# Altium PCB isg_eos_control_board_xem3001.PcbDoc (part 1 of 2)
Units mil, origin at the board's own origin, x right, y up, seen from the top; angles counter-clockwise.
Board outline 9600 x 4600 mil, 4 copper layers (Top Layer, MidLayer 1, MidLayer 2, Bottom Layer), stack 23.756 mil thick; 140 components, 165 nets, 826 pads, 215 vias.
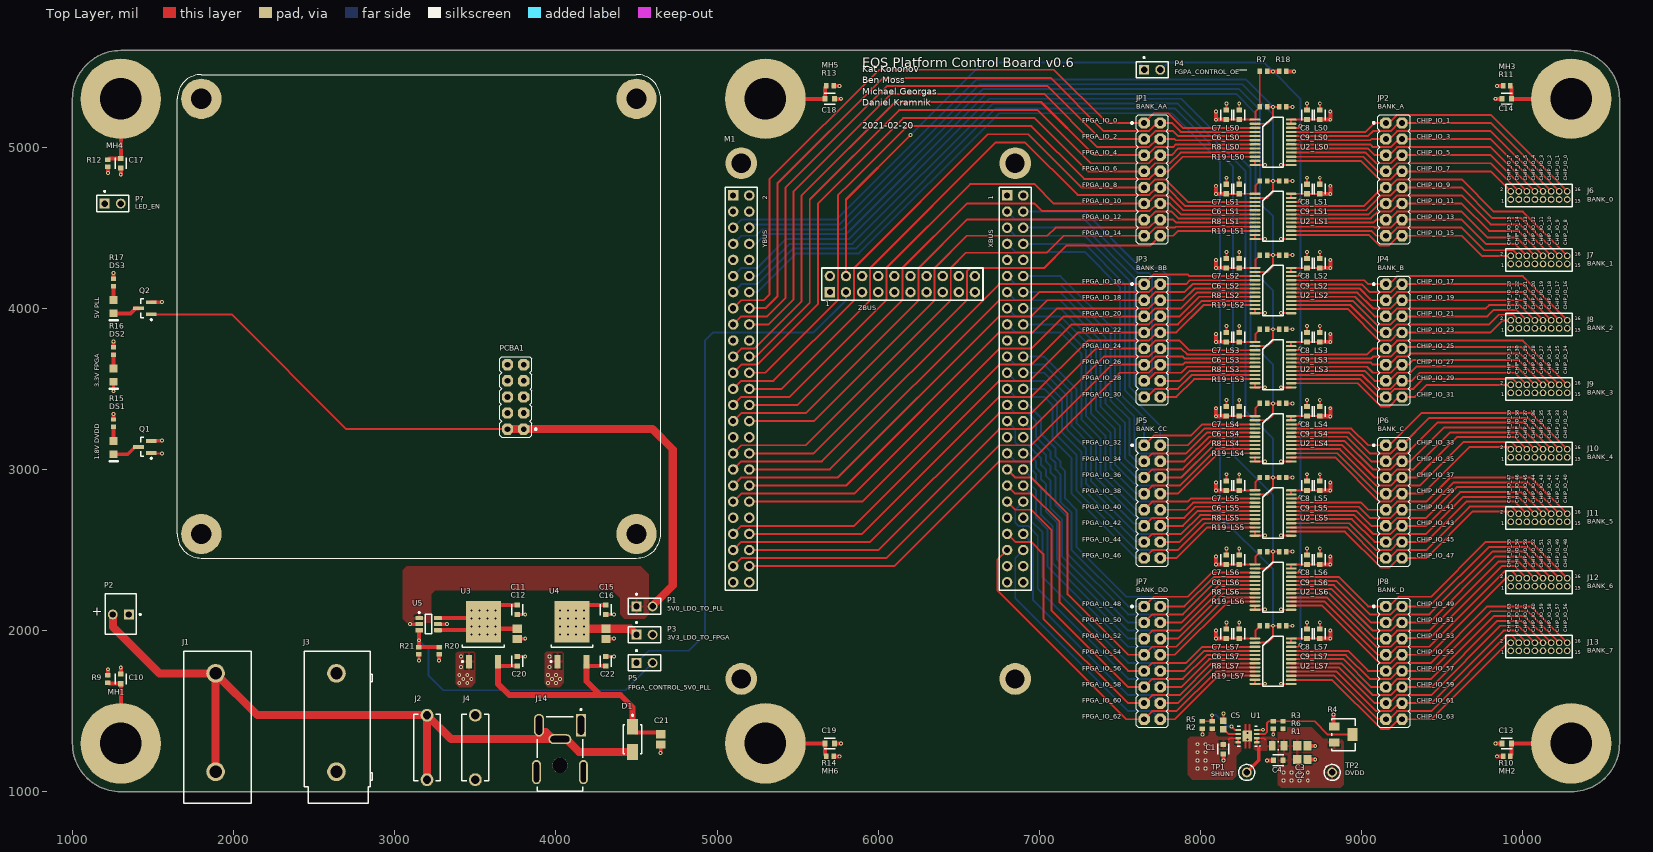
[diagram p0: Top Layer view]
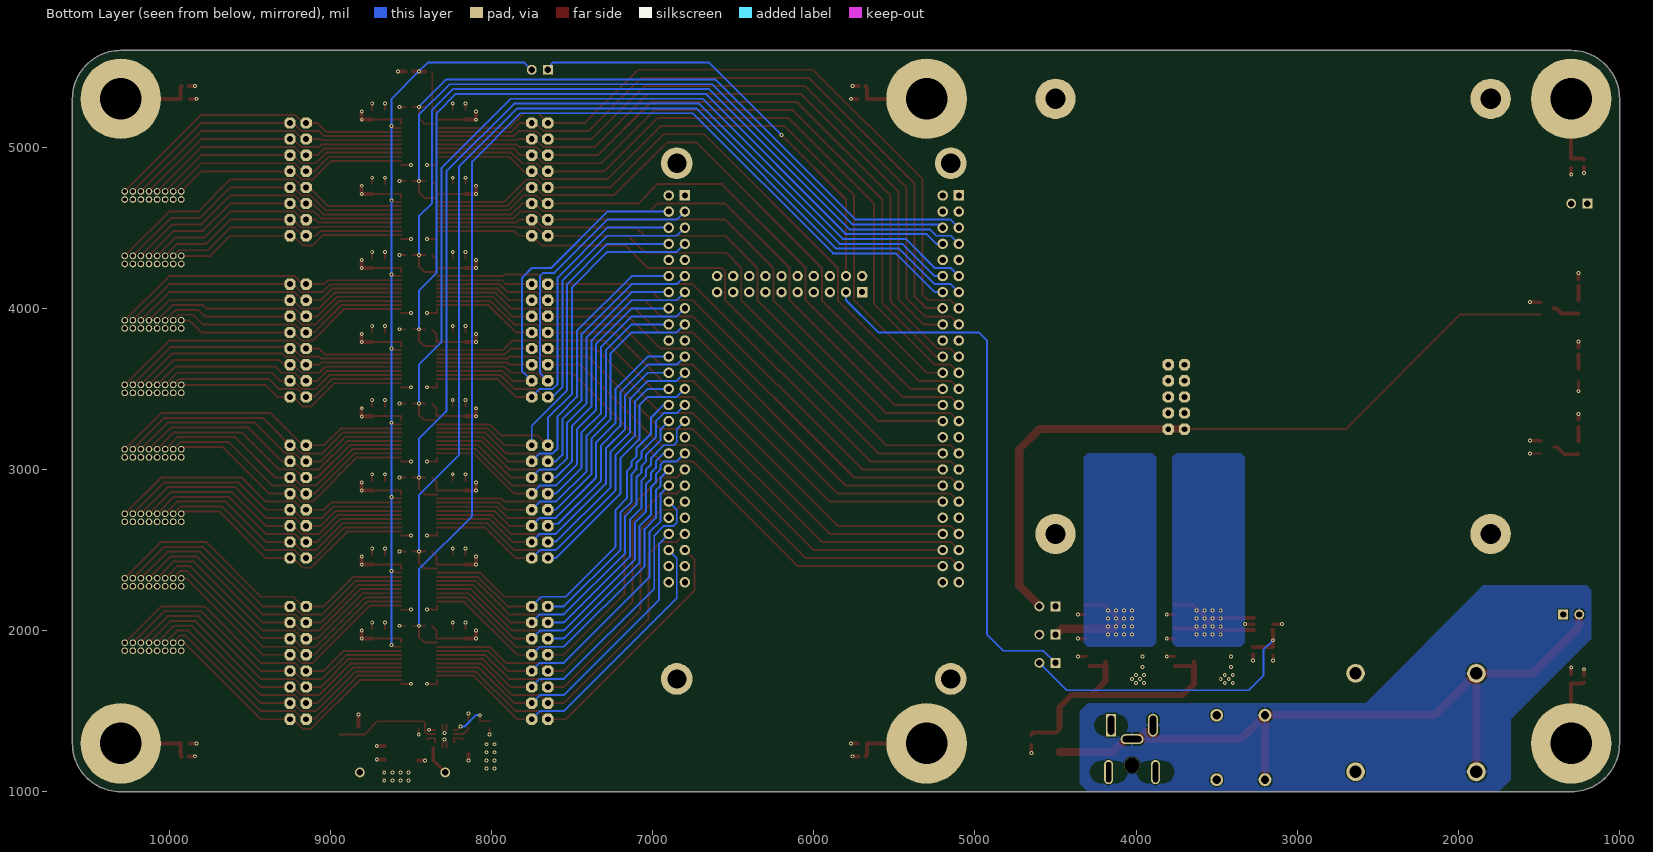
[diagram p1: Bottom Layer view, seen from below]
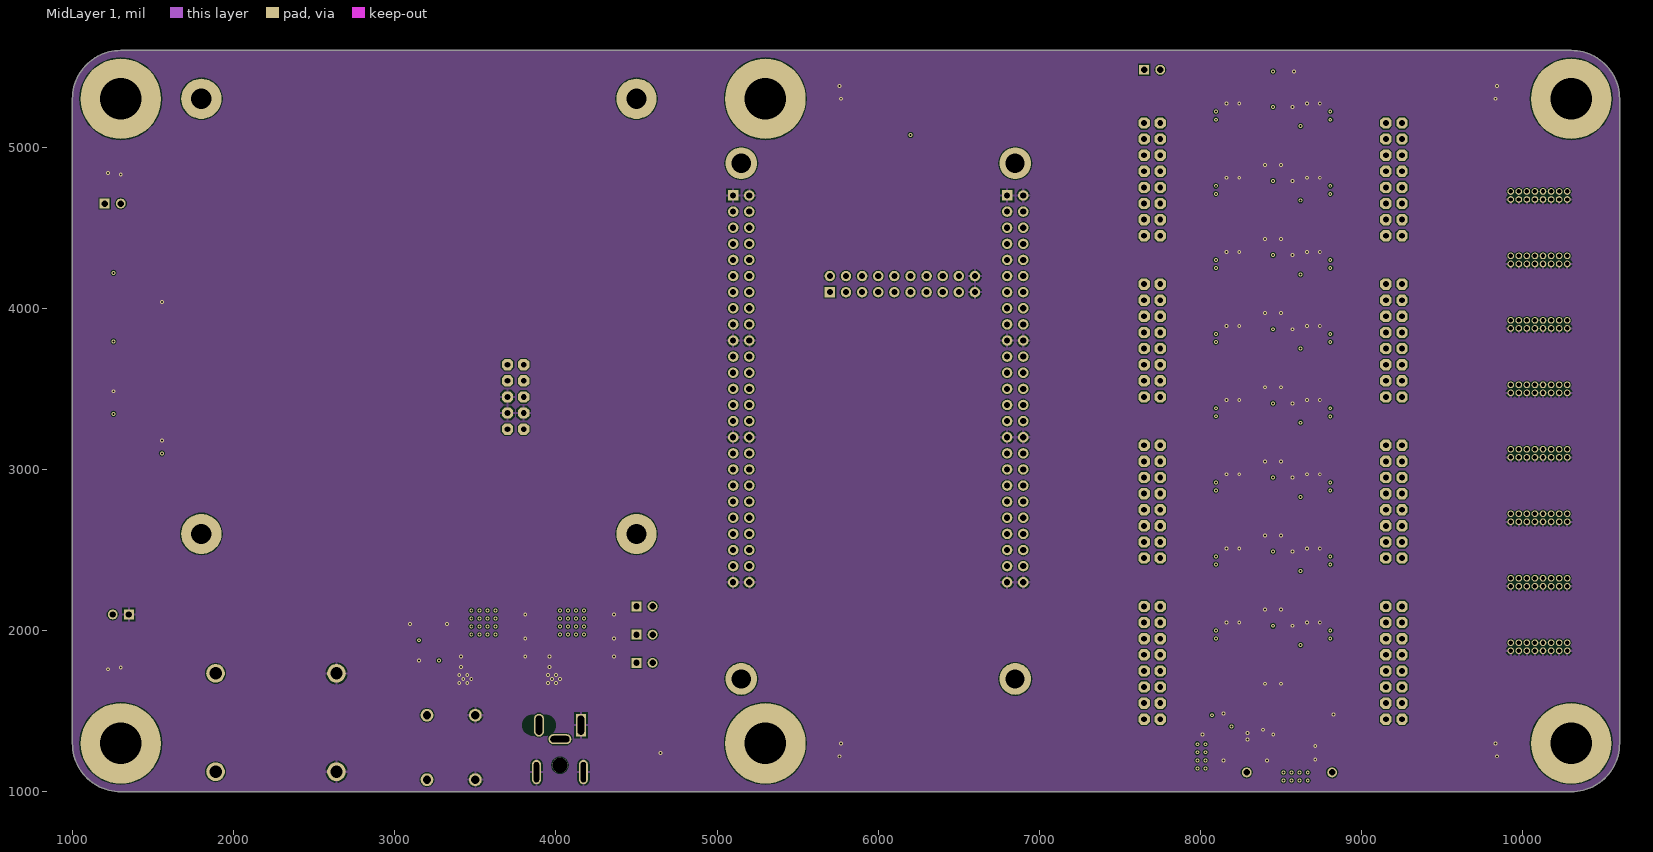
[diagram p2: MidLayer 1]
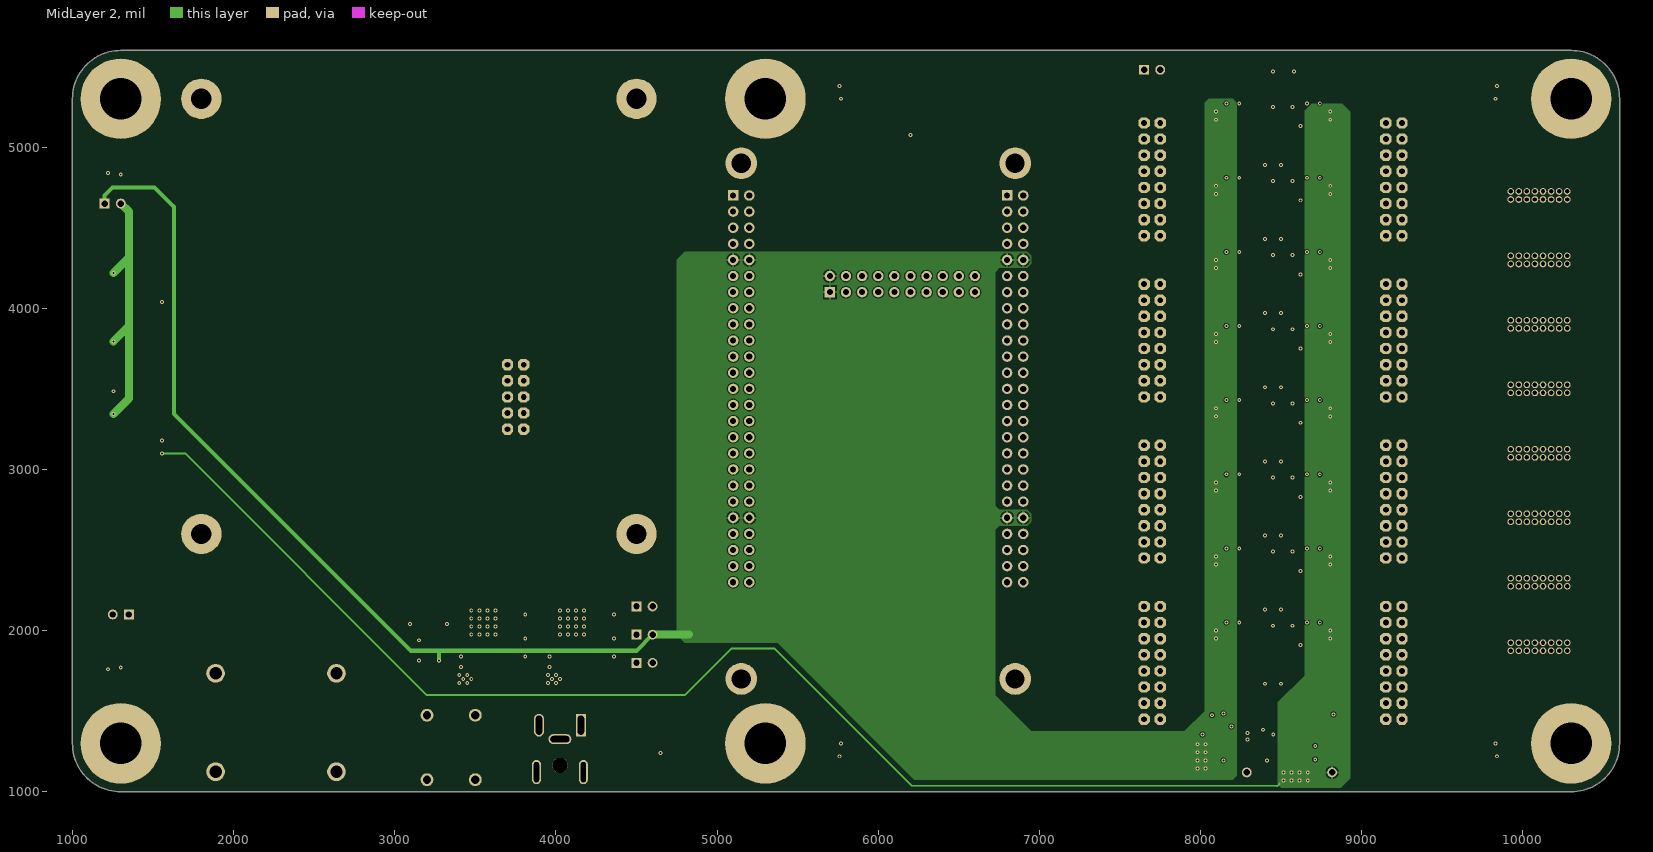
[diagram p3: MidLayer 2]
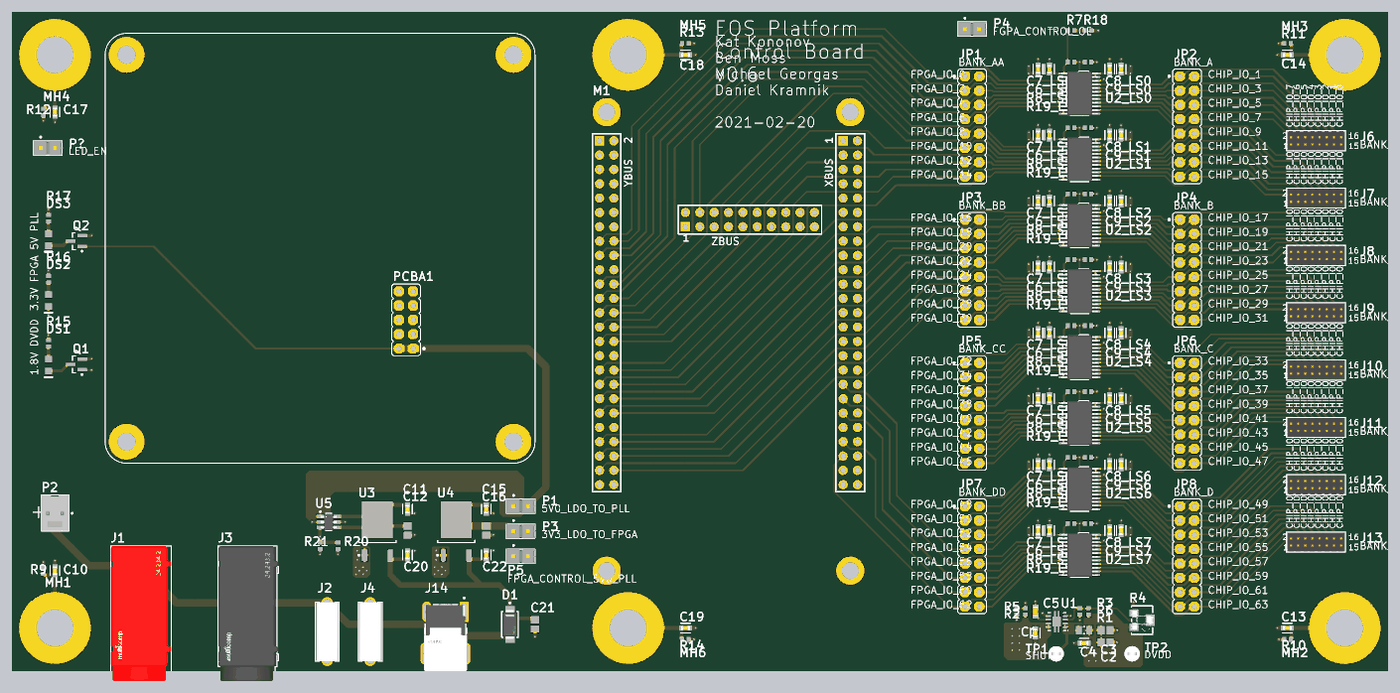
[diagram p5: 3D render of the assembled board from above, using the file's embedded part models]

## Layer stack, top to bottom
Top Solder: solder mask 0.4, Solder Resist, Dk 3.5
Top Layer: signal copper 1.4
Dielectric 2: prepreg 2.8, PP-006, Dk 4.1
MidLayer 1: signal copper 1.3779
Dielectric 1: dielectric 12.6, FR-4, Dk 4.8
MidLayer 2: signal copper 1.3779
Dielectric 3: prepreg 2.8, PP-006, Dk 4.1
Bottom Layer: signal copper 1.4
Bottom Solder: solder mask 0.4, Solder Resist, Dk 3.5

## Board outline
1000,5300 cw(c1300,5300) 1300,5600 10300,5600 cw(c10300,5300) 10600,5300 10600,1300 cw(c10300.01,1299.99) 10300,1000 1300,1000 cw(c1300,1300) 1000,1300

## Design rules (kind name [scope] priority, off if disabled: settings)
Clearance [All] p1: gap=6 ignorepadtopadclearanceinfootprint=FALSE
HoleSize [All] p1: absolutevalues=TRUE maxlimit=1000 minlimit=1 maxpercent=80.000 minpercent=20.000
MinimumSolderMaskSliver [All] p1 off: minsoldermaskwidth=10
PlaneConnect [All] p1: planeconnectstyle=Relief reliefexpansion=20 reliefentries=4 reliefconductorwidth=16 reliefairgap=10
PolygonConnect [All] p1: thpad.connectstyle=Relief thpad.reliefconductorwidth=16 thpad.reliefentries=4 thpad.polygonreliefangle="90 Angle" thpad.airgapwidth=10 smdpad.connectstyle=Relief smdpad.reliefconductorwidth=16 smdpad.reliefentries=4 smdpad.polygonreliefangle="90 Angle" smdpad.airgapwidth=10 via.connectstyle=Direct via.reliefconductorwidth=10 via.reliefentries=4 via.polygonreliefangle="90 Angle" via.airgapwidth=10
RoomDefinition LS7 [InComponentClass('LS7')] p1: confinementstyle=ConfineIn formatcopy=TRUE lockcomponents=FALSE outline 8060,1615 8840,1615 8840,2075 8060,2075
RoomDefinition LS6 [InComponentClass('LS6')] p2: confinementstyle=ConfineIn formatcopy=TRUE lockcomponents=FALSE outline 8060,2075 8840,2075 8840,2535 8060,2535
RoomDefinition LS5 [InComponentClass('LS5')] p3: confinementstyle=ConfineIn formatcopy=TRUE lockcomponents=FALSE outline 8060,2535 8840,2535 8840,2995 8060,2995
RoomDefinition LS4 [InComponentClass('LS4')] p4: confinementstyle=ConfineIn formatcopy=TRUE lockcomponents=FALSE outline 8060,2995 8840,2995 8840,3455 8060,3455
RoomDefinition LS3 [InComponentClass('LS3')] p5: confinementstyle=ConfineIn formatcopy=TRUE lockcomponents=FALSE outline 8060,3455 8840,3455 8840,3915 8060,3915
RoomDefinition LS2 [InComponentClass('LS2')] p6: confinementstyle=ConfineIn formatcopy=TRUE lockcomponents=FALSE outline 8060,3915 8840,3915 8840,4375 8060,4375
RoomDefinition LS1 [InComponentClass('LS1')] p7: confinementstyle=ConfineIn formatcopy=TRUE lockcomponents=FALSE outline 8060,4375 8840,4375 8840,4835 8060,4835
RoomDefinition LS0 [InComponentClass('LS0')] p8: confinementstyle=ConfineIn formatcopy=TRUE lockcomponents=FALSE outline 8060,4835 8840,4835 8840,5295 8060,5295
RoomDefinition LDO_DVDD [InComponentClass('LDO_DVDD')] p9: confinementstyle=ConfineIn formatcopy=TRUE lockcomponents=FALSE outline 7886.5,1020 9020,1020 9020,1520 7886.5,1520
RoutingVias [All] p1: holewidth=28 width=50 viastyle="Through Hole" minholewidth=28 minwidth=50 maxholewidth=28 maxwidth=50
SilkToSilkClearance [All] p1: silktosilkclearance=3
SilkToSolderMaskClearance [IsPad] p1: minsilkscreentomaskgap=3 clearancetoexposedcopper=TRUE
SolderMaskExpansion [All] p1: expansion=4
Width [All] p1: maxlimit=1000 minlimit=6 preferedwidth=10
25 further rules are at their usual default settings.

## Classes and differential pairs
net class FPGA_IO_[63..0]: FPGA_IO_0 FPGA_IO_1 FPGA_IO_2 FPGA_IO_3 FPGA_IO_4 FPGA_IO_5 FPGA_IO_6 FPGA_IO_7 FPGA_IO_8 FPGA_IO_9 FPGA_IO_10 FPGA_IO_11 FPGA_IO_12 FPGA_IO_13 FPGA_IO_14 FPGA_IO_15 FPGA_IO_16 FPGA_IO_17 FPGA_IO_18 FPGA_IO_19 FPGA_IO_20 FPGA_IO_21 FPGA_IO_22 FPGA_IO_23 FPGA_IO_24 FPGA_IO_25 FPGA_IO_26 FPGA_IO_27 FPGA_IO_28 FPGA_IO_29 FPGA_IO_30 FPGA_IO_31 FPGA_IO_32 FPGA_IO_33 FPGA_IO_34 FPGA_IO_35 FPGA_IO_36 FPGA_IO_37 FPGA_IO_38 FPGA_IO_39 FPGA_IO_40 FPGA_IO_41 FPGA_IO_42 FPGA_IO_43 FPGA_IO_44 FPGA_IO_45 FPGA_IO_46 FPGA_IO_47 FPGA_IO_48 FPGA_IO_49 FPGA_IO_50 FPGA_IO_51 FPGA_IO_52 FPGA_IO_53 FPGA_IO_54 FPGA_IO_55 FPGA_IO_56 FPGA_IO_57 FPGA_IO_58 FPGA_IO_59 FPGA_IO_60 FPGA_IO_61 FPGA_IO_62 FPGA_IO_63
channel class subckt_level_shifter: LS0 LS1 LS2 LS3 LS4 LS5 LS6 LS7
component class LS7: C6 C6_LS7 C7 C7_LS7 C8 C8_LS7 C9 C9_LS7 R8 R8_LS7 R19 R19_LS7 U2 U2_LS7
component class LS6: C6 C6_LS6 C7 C7_LS6 C8 C8_LS6 C9 C9_LS6 R8 R8_LS6 R19 R19_LS6 U2 U2_LS6
component class LS5: C6 C6_LS5 C7 C7_LS5 C8 C8_LS5 C9 C9_LS5 R8 R8_LS5 R19 R19_LS5 U2 U2_LS5
component class LS4: C6 C6_LS4 C7 C7_LS4 C8 C8_LS4 C9 C9_LS4 R8 R8_LS4 R19 R19_LS4 U2 U2_LS4
component class LS3: C6 C6_LS3 C7 C7_LS3 C8 C8_LS3 C9 C9_LS3 R8 R8_LS3 R19 R19_LS3 U2 U2_LS3
component class LS2: C6 C6_LS2 C7 C7_LS2 C8 C8_LS2 C9 C9_LS2 R8 R8_LS2 R19 R19_LS2 U2 U2_LS2
component class LS1: C6 C6_LS1 C7 C7_LS1 C8 C8_LS1 C9 C9_LS1 R8 R8_LS1 R19 R19_LS1 U2 U2_LS1
component class LS0: C6 C6_LS0 C7 C7_LS0 C8 C8_LS0 C9 C9_LS0 R8 R8_LS0 R19 R19_LS0 U2 U2_LS0
component class LDO_DVDD: C1 C2 C3 C4 C5 R1 R2 R3 R4 R5 R6 TP1 TP2 U1
component class isg_eos_control_board_xem3001: C10 C11 C12 C13 C14 C15 C16 C17 C18 C19 C20 C21 C22 D1 DS1 DS2 DS3 J1 J2 J3 J4 J6 J7 J8 J9 J10 J11 J12 J13 J14 JP1 JP2 JP3 JP4 JP5 JP6 JP7 JP8 M1 M? MH1 MH2 MH3 MH4 MH5 MH6 P1 P2 P3 P4 P5 P? PCBA1 Q1 Q2 R7 R9 R10 R11 R12 R13 R14 R15 R16 R17 R18 R20 R21 R? U3 U4 U5

## Components (designator, comment, footprint, x,y, rotation, side; value= is the part's Value field where it differs from the comment)
C1 "CAP CER 100nF 0603 X7R" FP-CC0603-DA-MFG 8141.5,1265 r270 top value="100 nF"
C2 "CAP CER 4.7uF 0805 X7R" CAPC2013X140X50NL20T25 8631.5,1200 r0 top
C3 "CAP CER 4.7uF 0805 X7R" CAPC2013X140X50NL20T25 8631.5,1285 r0 top
C4 "CAP CER 100nF 0603 X7R" FP-CC0603-DA-MFG 8481.5,1195 r180 top value="100 nF"
C5 "CAP CER 10nF 0603 X7R" CAPC1608X90X40ML10T20 8141.5,1415 r90 top
C6_LS0 "CAP CER 100nF 0603 X7R" FP-CC0603-DA-MFG 8160,5200 r90 top value="100 nF" (schematic designator C6)
C6_LS1 "CAP CER 100nF 0603 X7R" FP-CC0603-DA-MFG 8160,4740 r90 top value="100 nF" (schematic designator C6)
C6_LS2 "CAP CER 100nF 0603 X7R" FP-CC0603-DA-MFG 8160,4280 r90 top value="100 nF" (schematic designator C6)
C6_LS3 "CAP CER 100nF 0603 X7R" FP-CC0603-DA-MFG 8160,3820 r90 top value="100 nF" (schematic designator C6)
C6_LS4 "CAP CER 100nF 0603 X7R" FP-CC0603-DA-MFG 8160,3360 r90 top value="100 nF" (schematic designator C6)
C6_LS5 "CAP CER 100nF 0603 X7R" FP-CC0603-DA-MFG 8160,2900 r90 top value="100 nF" (schematic designator C6)
C6_LS6 "CAP CER 100nF 0603 X7R" FP-CC0603-DA-MFG 8160,2440 r90 top value="100 nF" (schematic designator C6)
C6_LS7 "CAP CER 100nF 0603 X7R" FP-CC0603-DA-MFG 8160,1980 r90 top value="100 nF" (schematic designator C6)
C7_LS0 "CAP CER 10nF 0603 X7R" FP-CC0603-DA-MFG 8240,5200 r90 top value="100 nF" (schematic designator C7)
C7_LS1 "CAP CER 10nF 0603 X7R" FP-CC0603-DA-MFG 8240,4740 r90 top value="100 nF" (schematic designator C7)
C7_LS2 "CAP CER 10nF 0603 X7R" FP-CC0603-DA-MFG 8240,4280 r90 top value="100 nF" (schematic designator C7)
C7_LS3 "CAP CER 10nF 0603 X7R" FP-CC0603-DA-MFG 8240,3820 r90 top value="100 nF" (schematic designator C7)
C7_LS4 "CAP CER 10nF 0603 X7R" FP-CC0603-DA-MFG 8240,3360 r90 top value="100 nF" (schematic designator C7)
C7_LS5 "CAP CER 10nF 0603 X7R" FP-CC0603-DA-MFG 8240,2900 r90 top value="100 nF" (schematic designator C7)
C7_LS6 "CAP CER 10nF 0603 X7R" FP-CC0603-DA-MFG 8240,2440 r90 top value="100 nF" (schematic designator C7)
C7_LS7 "CAP CER 10nF 0603 X7R" FP-CC0603-DA-MFG 8240,1980 r90 top value="100 nF" (schematic designator C7)
C8_LS0 "CAP CER 100nF 0603 X7R" FP-CC0603-DA-MFG 8740,5200 r90 top value="100 nF" (schematic designator C8)
C8_LS1 "CAP CER 100nF 0603 X7R" FP-CC0603-DA-MFG 8740,4740 r90 top value="100 nF" (schematic designator C8)
C8_LS2 "CAP CER 100nF 0603 X7R" FP-CC0603-DA-MFG 8740,4280 r90 top value="100 nF" (schematic designator C8)
C8_LS3 "CAP CER 100nF 0603 X7R" FP-CC0603-DA-MFG 8740,3820 r90 top value="100 nF" (schematic designator C8)
C8_LS4 "CAP CER 100nF 0603 X7R" FP-CC0603-DA-MFG 8740,3360 r90 top value="100 nF" (schematic designator C8)
C8_LS5 "CAP CER 100nF 0603 X7R" FP-CC0603-DA-MFG 8740,2900 r90 top value="100 nF" (schematic designator C8)
C8_LS6 "CAP CER 100nF 0603 X7R" FP-CC0603-DA-MFG 8740,2440 r90 top value="100 nF" (schematic designator C8)
C8_LS7 "CAP CER 100nF 0603 X7R" FP-CC0603-DA-MFG 8740,1980 r90 top value="100 nF" (schematic designator C8)
C9_LS0 "CAP CER 10nF 0603 X7R" FP-CC0603-DA-MFG 8660,5200 r90 top value="100 nF" (schematic designator C9)
C9_LS1 "CAP CER 10nF 0603 X7R" FP-CC0603-DA-MFG 8660,4740 r90 top value="100 nF" (schematic designator C9)
C9_LS2 "CAP CER 10nF 0603 X7R" FP-CC0603-DA-MFG 8660,4280 r90 top value="100 nF" (schematic designator C9)
C9_LS3 "CAP CER 10nF 0603 X7R" FP-CC0603-DA-MFG 8660,3820 r90 top value="100 nF" (schematic designator C9)
C9_LS4 "CAP CER 10nF 0603 X7R" FP-CC0603-DA-MFG 8660,3360 r90 top value="100 nF" (schematic designator C9)
C9_LS5 "CAP CER 10nF 0603 X7R" FP-CC0603-DA-MFG 8660,2900 r90 top value="100 nF" (schematic designator C9)
C9_LS6 "CAP CER 10nF 0603 X7R" FP-CC0603-DA-MFG 8660,2440 r90 top value="100 nF" (schematic designator C9)
C9_LS7 "CAP CER 10nF 0603 X7R" FP-CC0603-DA-MFG 8660,1980 r90 top value="100 nF" (schematic designator C9)
C10 "DNP" FP-CC0603-DA-MFG 1300,1700 r90 top value="100 nF"
C11 "CAP CER 100nF 0603 10V X7R" FP-CC0603-DA-MFG 3760,2130 r270 top value="100 nF"
C12 "CAP CER 4.7uF 0805 10V X7R" CAPC2013X140X50NL20T25 3760,1980 r270 top
C13 "DNP" FP-CC0603-DA-MFG 9900,1300 r180 top value="100 nF"
C14 "DNP" FP-CC0603-DA-MFG 9900,5300 r180 top value="100 nF"
C15 "CAP CER 100nF 0603 10V X7R" FP-CC0603-DA-MFG 4310,2130 r270 top value="100 nF"
C16 "CAP CER 4.7uF 0805 10V X7R" CAPC2013X140X50NL20T25 4310,1980 r270 top
C17 "DNP" FP-CC0603-DA-MFG 1300,4900 r270 top value="100 nF"
C18 "DNP" FP-CC0603-DA-MFG 5700,5300 r0 top value="100 nF"
C19 "DNP" FP-CC0603-DA-MFG 5700,1300 r0 top value="100 nF"
C20 "CAP CER 100nF 0603 50V X7R" FP-CC0603-DA-MFG 3760,1810 r90 top value="100 nF"
C21 "CAP CER 4.7uF 0805 25V X7R" CAPC2013X140X50NL20T25 4650,1325 r270 top
C22 "CAP CER 100nF 0603 50V X7R" FP-CC0603-DA-MFG 4310,1810 r90 top value="100 nF"
D1 "B330A-13-F" FP-SMA-MFG 4475,1325 r270 top value=200pF
DS1 "HSMG-C170" AVAG-HSMX-C170_V 1255,3135 r270 top
DS2 "HSMG-C170" AVAG-HSMX-C170_V 1255,3585 r270 top
DS3 "HSMG-C170" AVAG-HSMX-C170_V 1255,4010 r270 top
J1 "24.243.1" FP-24_243_1-MFG 1900,1400 r270 top
J2 "105-0752-001" FP-105-0751-001-MFG 3200,1275 r90 top
J3 "24.243.2" FP-24_243_2-MFG 2650,1400 r90 top
J4 "105-0753-001" FP-105-0751-001-MFG 3500,1275 r90 top
J6 "62201621121" 62201621121 10100,4700 r0 top
J7 "62201621121" 62201621121 10100,4300 r0 top
J8 "62201621121" 62201621121 10100,3900 r0 top
J9 "62201621121" 62201621121 10100,3500 r0 top
J10 "62201621121" 62201621121 10100,3100 r0 top
J11 "62201621121" 62201621121 10100,2700 r0 top
J12 "62201621121" 62201621121 10100,2300 r0 top
J13 "62201621121" 62201621121 10100,1900 r0 top
J14 "PJ-047A" FP-PJ-047A-MFG 4025,1233.9 r180 top
JP1 "PIN_HEADER_2X8" PIN_HEADER_2X8_2.54MM 7700,4800 r0 top
JP2 "PIN_HEADER_2X8" PIN_HEADER_2X8_2.54MM 9200,4800 r0 top
JP3 "PIN_HEADER_2X8" PIN_HEADER_2X8_2.54MM 7700,3800 r0 top
JP4 "PIN_HEADER_2X8" PIN_HEADER_2X8_2.54MM 9200,3800 r0 top
JP5 "PIN_HEADER_2X8" PIN_HEADER_2X8_2.54MM 7700,2800 r0 top
JP6 "PIN_HEADER_2X8" PIN_HEADER_2X8_2.54MM 9200,2800 r0 top
JP7 "PIN_HEADER_2X8" PIN_HEADER_2X8_2.54MM 7700,1800 r0 top
JP8 "PIN_HEADER_2X8" PIN_HEADER_2X8_2.54MM 9200,1800 r0 top
M1 "XEM3001" XEM3001MODULE 7000,1550 r90 top
MH1 "OPTICAL-MOUNT-HOLE-1/4-20" MH-1/4-20#1 1260,1520 r0 top
MH2 "OPTICAL-MOUNT-HOLE-1/4-20" MH-1/4-20#2 9400,1360 r0 top
MH3 "OPTICAL-MOUNT-HOLE-1/4-20" MH-1/4-20#3 9500,5200 r0 top
MH4 "OPTICAL-MOUNT-HOLE-1/4-20" MH-1/4-20#4 1100,4800 r0 top
MH5 "OPTICAL-MOUNT-HOLE-1/4-20" MH-1/4-20#5 5900,5700 r0 top
MH6 "OPTICAL-MOUNT-HOLE-1/4-20" MH-1/4-20#6 5750,1300 r0 top
P1 "TSW-102-07-S-S" SMTC-TSW-102-07-S-S 4550,2150 r0 top
P2 "22-23-2021" MOLX-22-23-2021_V 1300,2100 r180 top
P3 "TSW-102-07-S-S" SMTC-TSW-102-07-S-S 4550,1975 r0 top
P4 "TSW-102-07-S-S" SMTC-TSW-102-07-S-S 7700,5480 r0 top
P5 "TSW-102-07-S-S" SMTC-TSW-102-07-S-S 4550,1800 r0 top
P? "TSW-102-07-S-S" SMTC-TSW-102-07-S-S 1250,4650 r0 top
PCBA1 "ISG-PLL-PCBA" ISG-PLL-PCBA 3150,3950 r180 top
Q1 "BSH105,215" NXP-SOT23_M 1450,3140 r180 top
Q2 "BSH105,215" NXP-SOT23_M 1450,4000 r180 top
R1 "RES SMD 1R 0805" RESC2013X50X30NL20T20 8481.5,1285 r0 top
R2 "RES SMD 0R 0603" RESC1609X50X30LL10T20 8071.5,1415 r270 top
R3 "DNP" RESC1609X50X30LL10T20 8511.5,1415 r270 top
R4 "3224W-1-103E" FP-3224W-MFG 8886.5,1355 r0 top value=10kO
R5 "DNP" RESC1609X50X30LL10T20 8011.5,1415 r90 top
R6 "DNP" RESC1609X50X30LL10T20 8451.5,1415 r90 top
R7 "DNP" RESC1609X50X30LL10T20 8390,5470 r0 top
R8_LS0 "RES SMD 330 OHMS 0603" RESC1609X50X30LL10T20 8510,5250 r0 top (schematic designator R8)
R8_LS1 "RES SMD 330 OHMS 0603" RESC1609X50X30LL10T20 8510,4790 r0 top (schematic designator R8)
R8_LS2 "RES SMD 330 OHMS 0603" RESC1609X50X30LL10T20 8510,4330 r0 top (schematic designator R8)
R8_LS3 "RES SMD 330 OHMS 0603" RESC1609X50X30LL10T20 8510,3870 r0 top (schematic designator R8)
R8_LS4 "RES SMD 330 OHMS 0603" RESC1609X50X30LL10T20 8510,3410 r0 top (schematic designator R8)
R8_LS5 "RES SMD 330 OHMS 0603" RESC1609X50X30LL10T20 8510,2950 r0 top (schematic designator R8)
R8_LS6 "RES SMD 330 OHMS 0603" RESC1609X50X30LL10T20 8510,2490 r0 top (schematic designator R8)
R8_LS7 "RES SMD 330 OHMS 0603" RESC1609X50X30LL10T20 8510,2030 r0 top (schematic designator R8)
R9 "DNP" RESC1609X50X30LL10T20 1220,1700 r90 top
R10 "DNP" RESC1609X50X30LL10T20 9900,1220 r180 top
R11 "DNP" RESC1609X50X30LL10T20 9900,5380 r180 top
R12 "DNP" RESC1609X50X30LL10T20 1220,4900 r270 top
R13 "DNP" RESC1609X50X30LL10T20 5700,5380 r0 top
R14 "DNP" RESC1609X50X30LL10T20 5700,1220 r0 top
R15 "RES SMD 100R 0603" RESC1609X50X30LL10T20 1255,3287.36 r90 top
R16 "RES SMD 62R 1% 0603" RESC1609X50X30LL10T20 1255,3735 r90 top
R17 "RES SMD 62R 1% 0603" RESC1609X50X30LL10T20 1255,4160 r90 top
R18 "RES SMD 100K OHMS 0603" RESC1609X50X30LL10T20 8510,5470 r0 top
R19_LS0 "DNP" RESC1609X50X30LL10T20 8390,5250 r0 top (schematic designator R19)
R19_LS1 "DNP" RESC1609X50X30LL10T20 8390,4790 r0 top (schematic designator R19)
R19_LS2 "DNP" RESC1609X50X30LL10T20 8390,4330 r0 top (schematic designator R19)
R19_LS3 "DNP" RESC1609X50X30LL10T20 8390,3870 r0 top (schematic designator R19)
R19_LS4 "DNP" RESC1609X50X30LL10T20 8390,3410 r0 top (schematic designator R19)
R19_LS5 "DNP" RESC1609X50X30LL10T20 8390,2950 r0 top (schematic designator R19)
R19_LS6 "DNP" RESC1609X50X30LL10T20 8390,2490 r0 top (schematic designator R19)
R19_LS7 "DNP" RESC1609X50X30LL10T20 8390,2030 r0 top (schematic designator R19)
R20 "DNP" RESC1609X50X30LL10T20 3275,1875 r90 top
R21 "RES SMD 330 OHMS 0603" RESC1609X50X30LL10T20 3150,1875 r270 top
TP1 "5002" KSTN-5002 8286.5,1120 r90 top
TP2 "5002" KSTN-5002 8816.5,1120 r90 top
U1 "TPS7A8001DRBT" DRB0008A_V 8291.02,1345 r180 top
U2_LS0 "SN74AVC8T245PW" PW0024A_N 8450,5030 r0 top (schematic designator U2)
U2_LS1 "SN74AVC8T245PW" PW0024A_N 8450,4570 r0 top (schematic designator U2)
U2_LS2 "SN74AVC8T245PW" PW0024A_N 8450,4110 r0 top (schematic designator U2)
U2_LS3 "SN74AVC8T245PW" PW0024A_N 8450,3650 r0 top (schematic designator U2)
U2_LS4 "SN74AVC8T245PW" PW0024A_N 8450,3190 r0 top (schematic designator U2)
U2_LS5 "SN74AVC8T245PW" PW0024A_N 8450,2730 r0 top (schematic designator U2)
U2_LS6 "SN74AVC8T245PW" PW0024A_N 8450,2270 r0 top (schematic designator U2)
U2_LS7 "SN74AVC8T245PW" PW0024A_N 8450,1810 r0 top (schematic designator U2)
U3 "LD1117DT50CTR" TO-252_N 3550,1975 r90 top
U4 "LD1117DT33TR" TO-252_N 4100,1975 r90 top
U5 "TPS22929DDBVR" DBV0006A_M 3210,2040 r0 top
